# Altium PCB arduino phc.PcbDoc
Units mil, origin at the board's own origin, x right, y up, seen from the top; angles counter-clockwise.
Board outline 3937.01 x 2405 mil, 2 copper layers (Top Layer, Bottom Layer); 63 components, 56 nets, 242 pads, 33 vias.
Unrouted connection lines stored in the file: 44.
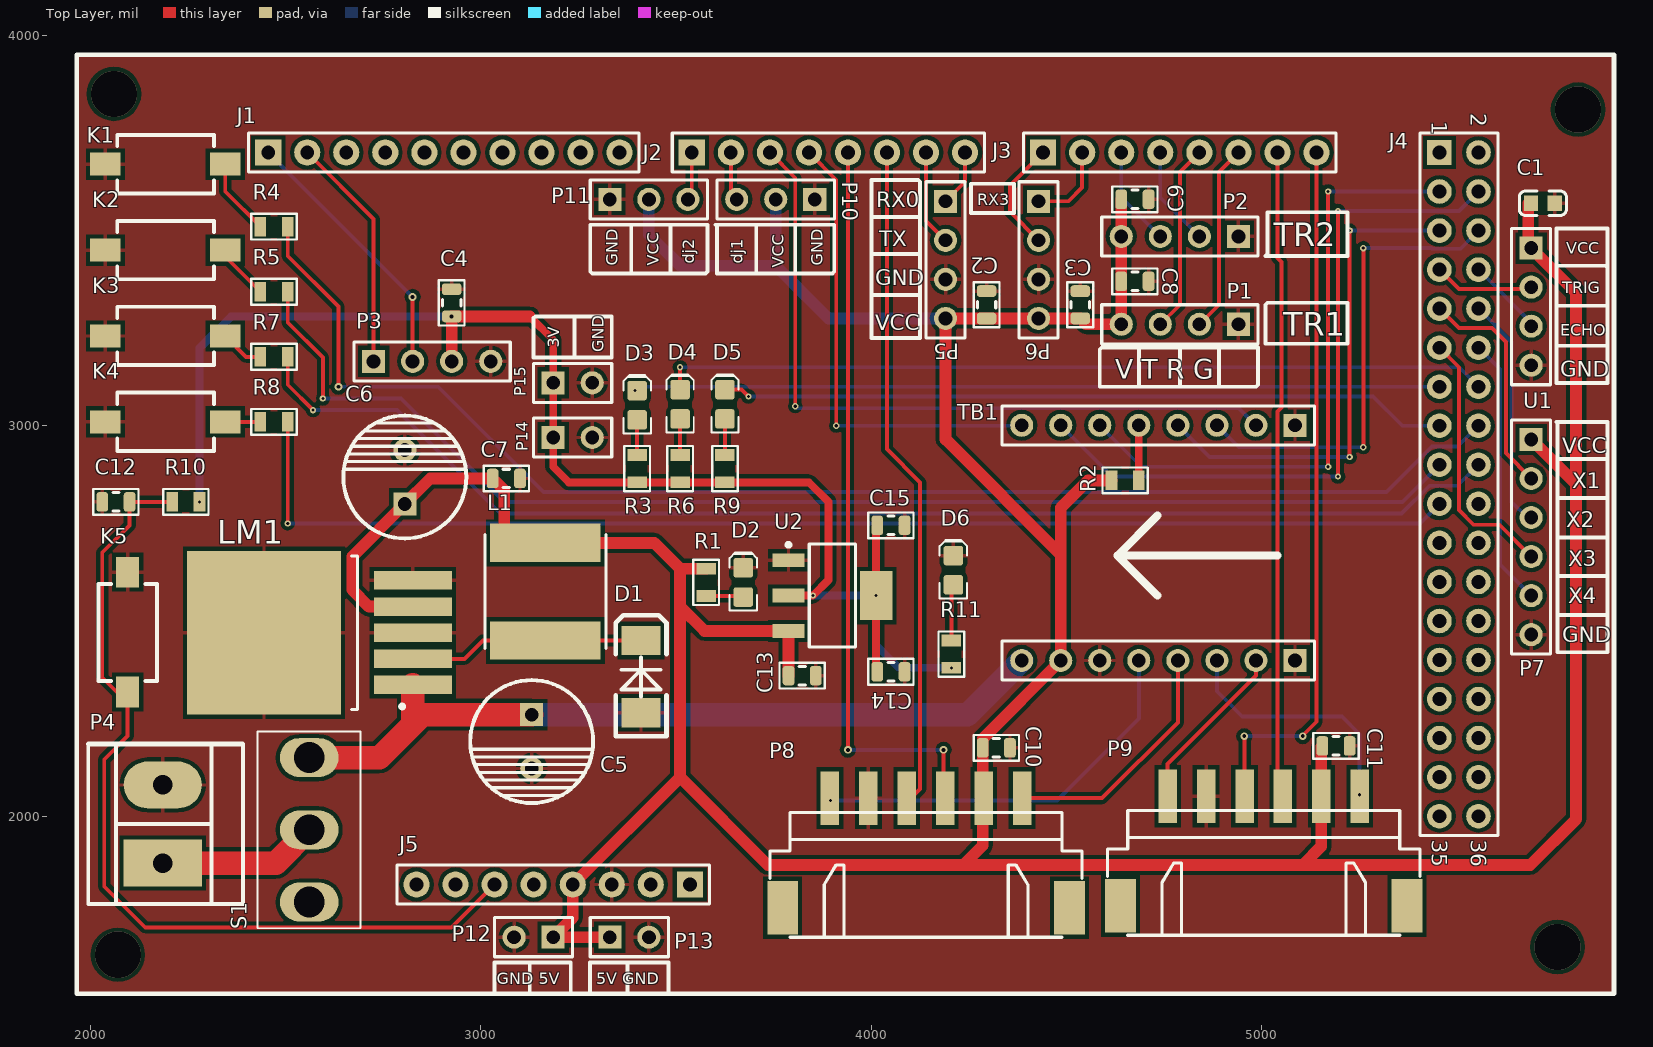
[diagram p0: Top Layer view]
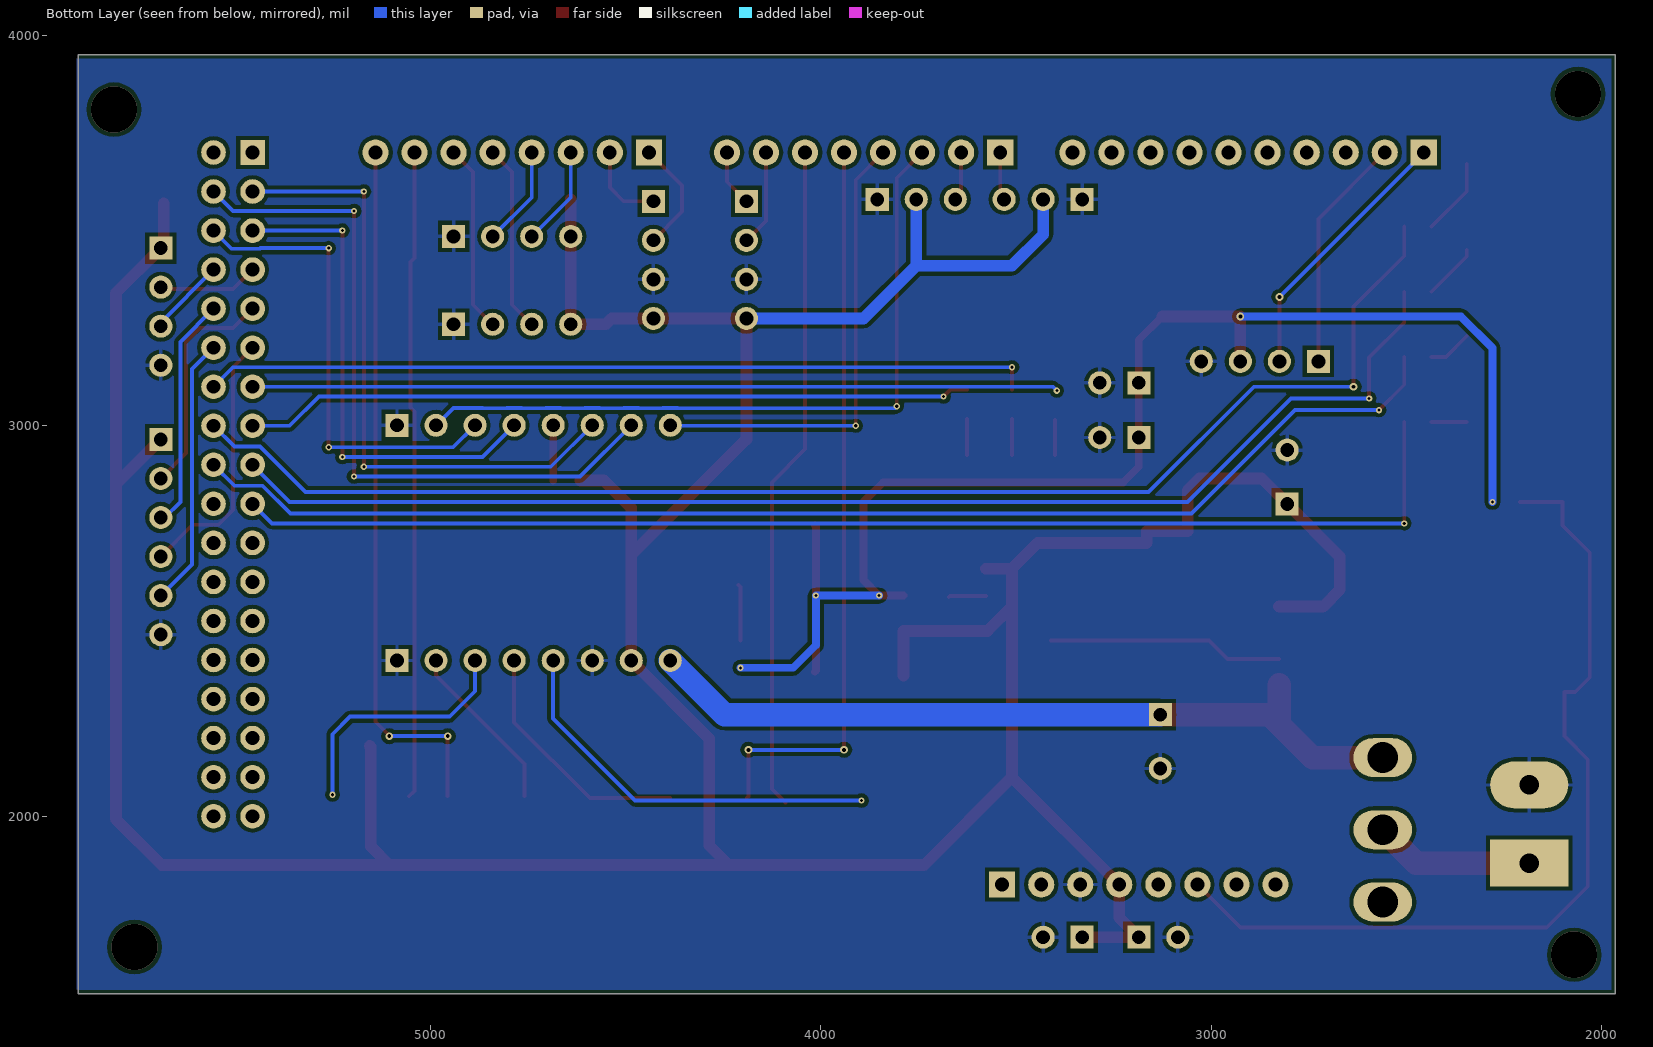
[diagram p1: Bottom Layer view, seen from below]

## Layer stack, top to bottom
Top Solder: solder mask 0.4, Solder Resist, Dk 3.5
Top Layer: signal copper 1.4
Dielectric 1: dielectric 12.6, FR-4, Dk 4.8
Bottom Layer: signal copper 1.4
Bottom Solder: solder mask 0.4, Solder Resist, Dk 3.5

## Board outline
1965,1545 1965,3950 5902.01,3950 5902.01,1545

## Design rules (kind name [scope] priority, off if disabled: settings)
Clearance [All] p1: gap=10 ignorepadtopadclearanceinfootprint=FALSE except(0: Arc-Hole Track-Hole SMDPad-Hole THPad-Hole Via-Hole Fill-Hole Poly-Hole Region-Hole Text-Hole)
PolygonConnect [All] p1: connectstyle=Relief reliefconductorwidth=10 reliefentries=4 polygonreliefangle="90 Angle" airgapwidth=10
RoutingVias [All] p1: holewidth=28 width=50 viastyle="Through Hole" minholewidth=28 minwidth=50 maxholewidth=28 maxwidth=50
SolderMaskExpansion [All] p1: expansion=4
Width [All] p1: maxlimit=60 minlimit=10 preferedwidth=10 minimp=50.000000 maximp=50.000000 favimp=50.000000
30 further rules are at their usual default settings.

## Components (designator, comment, footprint, x,y, rotation, side; value= is the part's Value field where it differs from the comment)
C1 "CAP" 0603_C 5720,3570 r0 top value=104
C2 "CAP" 0805_C 4295,3310 r270 top value=104
C3 "CAP" 0805_C 4535,3310 r270 top value=104
C4 "CAP" 0805_C 2925,3315 r90 top value=104
C5 "CAP_HER" CAP-8*16 3130,2191.1 r270 top value=470uf
C6 "CAP_HER" CAP-8*16 2805,2868.9 r90 top value=470uf
C7 "CAP" 0805_C 3065,2865 r0 top value=104
C8 "CAP" 0805_C 4675,3370 r180 top value=104
C9 "CAP" 0805_C 4675,3580 r180 top value=104
C10 "CAP" 0805_C 4320,2175 r180 top value=104
C11 "CAP" 0805_C 5190,2180 r180 top value=104
C12 "104" 0805_C 2065,2805 r180 top
C13 "CAP" 0805_C 3822.8,2360 r0 top value=104
C14 "CAP" 0805_C 4050,2370 r0 top value=106
C15 "CAP" 0805_C 4050,2745 r0 top value=104
D1 "DIODE" D1810 3410,2265 r90 top
D2 "LED0" 0805-LED-RED 3671.81,2598.82 r90 top
D3 "LED" 0805-LED-RED 3400,3052.5 r90 top
D4 "LED" 0805-LED-RED 3510,3055 r90 top
D5 "LED" 0805-LED-RED 3625,3055 r90 top
D6 "LED0" 0805-LED-RED 4210,2630 r90 top
J1 "HDR-1X10" HDR2.54-LI-10P 2905,3700 r0 top
J2 "HDR-1X8" HDR2.54-LI-8P 3890,3700 r0 top
J3 "HDR-1X8" HDR2.54-LI-8P 4790,3700 r0 top
J4 "Header 2X11" HDR2.54-LI-2x18P 5505,2850 r270 top
J5 "HDR-1X8" HDR2.54-LI-8P 3185,1825 r180 top
K1 "KEY2" KEY-SMD 2345,3670 r180 top
K2 "KEY2" KEY-SMD 2345,3450 r180 top
K3 "KEY3" KEY-SMD 2345,3230 r180 top
K4 "KEY3" KEY-SMD 2345,3010 r180 top
K5 "RESET" KEY-SMD 2095,2317.91 r90 top
L1 "33uH" L_SOP74 3165,2450 r90 top
LM1 "LM2596" TO-263-5L 2635,2470 r180 top
P1 "Header 4" HDR1X4 4940,3260 r180 top
P2 "Header 4" HDR1X4 4940,3485 r180 top
P3 "Header 4" HDR1X4 2725,3165 r0 top
P4 "Header 2" DG1282-5.0 2185,1980 r90 top
P5 "Header 4" HDR1X4 4190,3575 r270 top
P6 "Header 4" HDR1X4 4428.33,3575 r270 top
P7 "Header 6" HDR1X6 5690,2965 r270 top
P8 "Header 6" XH2.54-WS-6P 4140,1850 r0 top
P9 "Header 6" XH2.54-WS-6P 5005,1855 r0 top
P10 "Header 3" HDR1X3 3855,3580 r180 top
P11 "Header 3" HDR1X3 3330,3580 r0 top
P12 "Header 2" HDR1X2 3185,1690 r180 top
P13 "Header 2" HDR1X2 3330,1690 r0 top
P14 "Header 2" HDR1X2 3185,2970 r0 top
P15 "Header 2" HDR1X2 3185,3110 r0 top
R1 "5K" 0805_R 3576.81,2598.82 r270 top
R2 "RES" 0805_R 4650,2860 r0 top value=10k
R3 "RES" 0805_R 3400,2890 r90 top value=1k
R4 "RES" 0805_R 2470,3510 r180 top value=1k
R5 "RES" 0805_R 2470,3343.33 r180 top value=1k
R6 "RES" 0805_R 3510,2890 r90 top value=1k
R7 "RES" 0805_R 2470,3176.67 r180 top value=1k
R8 "RES" 0805_R 2470,3010 r180 top value=1k
R9 "RES" 0805_R 3625,2890 r90 top value=1k
R10 "RES" 0805_R 2244,2805 r0 top
R11 "RES" 0805_R 4205,2415 r90 top value=2k
S1 "SW SPDT" "SWITCH_3F_SPDT - 4.7mm" 2560,1965 r90 top
TB1 "TB6612 Module" TB6612 4735,2700 r90 top
U1 "ULTRASONIC" HDR1X4 5690,3455 r270 top
U2 "AMS1117-3.3" SOT223_L 3900,2565 r0 top

## Footprints (in the part's own frame and the unit in brackets; to place one, negate y for a bottom-side part, rotate by r counter-clockwise, add the part's x,y. Pads: shape width x height; smd on the part's side, far side on the other; paste and mask are expansions set on the pad)
0603_C [mm]
  rect 0.93x0.98 smd: 1(-0.77,0) 2(0.77,0)
  silkscreen extent -1.53,-0.79 1.54,0.79, body extent -0.8,-0.4 0.8,0.4, height 0.3
0805-LED-RED [mil]
  round 20 on Mech14: 0(0,0)
  rrect25% 50x50 smd: A(-37.5,0) K(37.5,0)
  Top Layer pour cut-out: -15,30 15,30 15,-30 -15,-30
  silkscreen extent -72,-35 77,35, body extent -39,-25 39,25, height 31
0805_C [mil]
  rrect50% 30x50 smd: 1(-35,0) 2(35,0)
  Top Layer pour cut-out: -20,26.81 20,26.81 20,-26.81 -20,-26.81
  silkscreen extent -58,-33 58,33, body extent -39,-24 39,24, height 22
0805_R [mil]
  rect 30x50 smd: 1(-35,0) 2(35,0)
  Top Layer pour cut-out: -20,28.19 20,28.19 20,-25.43 -20,-25.43
  silkscreen extent -58,-33 58,33, body extent -39,-24 39,24, height 22
CAP-8*16 [mm]
  rect 1.5x1.5 hole 0.9: 1(-1.75,0)
  round 1.5 hole 0.9: 2(1.75,0)
  silkscreen extent -4,-4 4,4, body extent -4,-3.92 4,4.07, height 16
D1810 [mil]
  rect 75x100 smd: A(0,0) K(185,0)
  silkscreen extent -60,-65 250,65, body extent -18,-76 202,78, height 98
DG1282-5.0 [mil]
  rect 120x200 hole 50: 1(-100,0)
  oval 120x200 hole 50: 2(100,0)
  silkscreen extent -205,-205 205,191, body extent -223,-187 199,187, height 591
HDR1X2 [mm] "Connector; Header; 2 Position"
  rect 1.5x1.5 hole 0.9: 1(0,0)
  round 1.5 hole 0.9: 2(2.54,0)
  silkscreen extent -1.27,-1.27 3.81,1.27
HDR1X3 [mm] "Connector; Header; 3 Position"
  rect 1.5x1.5 hole 0.9: 1(0,0)
  round 1.5 hole 0.9: 2(2.54,0) 3(5.08,0)
  silkscreen extent -1.27,-1.27 6.35,1.27
HDR1X4 [mm] "Connector; Header; 4 Position"
  rect 1.5x1.5 hole 0.9: 1(0,0)
  round 1.5 hole 0.9: 2(2.54,0) 3(5.08,0) 4(7.62,0)
  silkscreen extent -1.27,-1.27 8.89,1.27
HDR1X6 [mm] "Connector; Header; 6 Position"
  rect 1.5x1.5 hole 0.9: 1(0,0)
  round 1.5 hole 0.9: 2(2.54,0) 3(5.08,0) 4(7.62,0) 5(10.16,0) 6(12.7,0)
  silkscreen extent -1.27,-1.27 13.97,1.27
HDR2.54-LI-2x18P [mm] "双排排针，18x2脚"
  rect 1.6x1.6 hole 0.9: 1(-21.59,-1.27)
  round 1.6 hole 0.9: 2(-21.59,1.27) 3(-19.05,-1.27) 4(-19.05,1.27) 5(-16.51,-1.27) 6(-16.51,1.27) 7(-13.97,-1.27) 8(-13.97,1.27) 9(-11.43,-1.27) 10(-11.43,1.27) 11(-8.89,-1.27) 12(-8.89,1.27) 13(-6.35,-1.27) 14(-6.35,1.27) 15(-3.81,-1.27) 16(-3.81,1.27) 17(-1.27,-1.27) 18(-1.27,1.27) 19(1.27,-1.27) 20(1.27,1.27) 21(3.81,-1.27) 22(3.81,1.27) 23(6.35,-1.27) 24(6.35,1.27) 25(8.89,-1.27) 26(8.89,1.27) 27(11.43,-1.27) 28(11.43,1.27) 29(13.97,-1.27) 30(13.97,1.27) 31(16.51,-1.27) 32(16.51,1.27) 33(19.05,-1.27) 34(19.05,1.27) 35(21.59,-1.27) 36(21.59,1.27)
  silkscreen extent -22.86,-2.54 22.86,2.54, body extent -22.86,-2.54 22.86,2.54, height 8.5
HDR2.54-LI-8P [mm] "排针，8脚  淘宝ID:黄晶宝石   店铺网址:https://shop463601444.taobao.com"
  rect 1.7x1.7 hole 0.9: 1(-8.89,0)
  round 1.7 hole 0.9: 2(-6.35,0) 3(-3.81,0) 4(-1.27,0) 5(1.27,0) 6(3.81,0) 7(6.35,0) 8(8.89,0)
  silkscreen extent -10.16,-1.27 10.16,1.27, body extent -10.16,-1.27 10.16,1.27, height 2.54
HDR2.54-LI-10P [mm] "排针，10脚   淘宝ID:黄晶宝石   店铺网址:https://shop463601444.taobao.com"
  rect 1.7x1.7 hole 0.9: 1(-11.43,0)
  round 1.7 hole 0.9: 2(-8.89,0) 3(-6.35,0) 4(-3.81,0) 5(-1.27,0) 6(1.27,0) 7(3.81,0) 8(6.35,0) 9(8.89,0) 10(11.43,0)
  silkscreen extent -12.7,-1.27 12.7,1.27, body extent -12.7,-1.27 12.7,1.27, height 2.54
KEY-SMD [mm]
  rect 2x1.5 smd: 1(0,0) 2(7.8,0)
  silkscreen extent 0.73,-1.9 7.03,1.9, body extent -0.06,-1.94 7.83,1.91, height 2.5
L_SOP74 [mm]
  rect 2.5x7.2 smd: 1(0,0) 2(6.35,0)
  silkscreen extent -0.51,-3.94 6.89,3.94, body extent -0.42,-3.6 6.88,3.7, height 4.5
SOT223_L [mm] "SOT223, 4-Leads, Body 6.5x3.5mm, Pitch 2.3mm, Lead Span 7mm, IPC High Density"
  rect 2.1x0.9 smd: 1(-2.85,2.3) 2(-2.85,0) 3(-2.85,-2.3)
  rect 2.1x3.2 smd: 4(2.85,0)
  silkscreen extent -2.97,-3.35 1.5,3.42, body extent -1.85,-3.35 1.85,3.35, height 1.7
"SWITCH_3F_SPDT - 4.7mm" [mm]
  oval 2.54x3.81 hole 2: 1(-4.7,0) 2(0,0) 3(4.7,0)
  silkscreen extent -6.4,-3.35 6.4,3.35, body extent -6.5,-3.5 6.5,3.5, height 10.16
TB6612 [mm]
  round 1.5 hole 0.9: 1(-7.65,8.89) 2(7.65,8.89) 3(-7.65,6.35) 4(7.65,6.35) 5(-7.65,3.81) 6(7.65,3.81) 7(-7.65,1.27) 8(7.65,1.27) 9(-7.65,-1.27) 10(7.65,-1.27) 11(-7.65,-3.81) 12(7.65,-3.81) 13(-7.65,-6.35) 14(7.65,-6.35)
  rect 1.5x1.5 hole 0.9: 15(-7.65,-8.89) 16(7.65,-8.89)
  silkscreen extent -8.92,-10.16 8.92,10.16, body extent -10.66,-10.44 10.25,10.54, height 6.08
TO-263-5L [mm]
  rect 5.08x1.2 smd: 1(-4.845,3.4) 2(-4.845,1.7) 3(-4.845,0) 4(-4.845,-1.7) 5(-4.845,-3.4)
  rect 10x10.66 smd: 3(4.845,0)
  silkscreen extent -4.26,-5 -0.86,5, body extent -4.34,-5.05 9.67,5.11, height 4.58
XH2.54-WS-6P [mm]
  rect 2x3.5 smd: 0(-9.327,-2.15) 0(9.327,-2.15)
  rect 1.2x3.5 smd: 1(-6.25,4.981) 2(-3.75,4.981) 3(-1.25,4.981) 4(1.25,4.981) 5(3.75,4.981) 6(6.25,4.981)
  silkscreen extent -10.16,-4.06 10.16,4.06, body extent -10,-4 10,6.42, height 6.05

## Part data
C12: library part CAP
D2 D6: library part LED
J1: library part "Header 10", "10P接插件", BOM名称=10
J2 J3 J5: library part "Header 8", "8P接插件"
J4: library part "Header 18X2", "18*2P接插件", BOM名称=18*2
K1 K2 K3 K4 K5: library part KEY
L1: library part IND
LM1: "LM2576"
P1 P2 P3 P5 P6 U1: "Header, 4-Pin", LatestRevisionDate=17-Jul-2002, LatestRevisionNote="Re-released for DXP Platform.", Publisher="Altium Limited"
P4 P12 P13 P14 P15: "Header, 2-Pin", LatestRevisionDate=17-Jul-2002, LatestRevisionNote="Re-released for DXP Platform.", Publisher="Altium Limited"
P7 P8 P9: "Header, 6-Pin", LatestRevisionDate=17-Jul-2002, LatestRevisionNote="Re-released for DXP Platform.", Publisher="Altium Limited"
P10 P11: "Header, 3-Pin", LatestRevisionDate=17-Jul-2002, LatestRevisionNote="Re-released for DXP Platform.", Publisher="Altium Limited"
R1: library part RES_1
U2: library part AMS1117
R10: =10k
TB1: LatestRevisionDate=17-Jul-2002, LatestRevisionNote="Re-released for DXP Platform.", Publisher="Altium Limited"

## Via types
v1: diameter 16, hole 8, Top Layer to Bottom Layer, 22 vias
v2: diameter 20, hole 10, Top Layer to Bottom Layer, 7 vias
v3: diameter 118.11, hole 118.11, Top Layer to Bottom Layer, 4 vias

## Nets (pads, with @x,y where several pads share a name; then routed paths per layer and width w, separated by ;. In a path a pad name is that pad's centre, name@x,y a point inside that pad or via, vN(x,y) a via of type N, cw(c..) or ccw(c..) an arc to the next point about the centre after c; other vN are vias at no path point)
A1: J2.6 P8.3 | length 1714.7
  Top Layer w10: J2.6 4040,2940 4125,2855 4125,2070 P8.3@4090,2035
A2: J2.5 P8.4 | length 1900.6
  Top Layer w10: v2(3940,2170) J2.5 ; v2(4185,2170) 4185,2050.31 P8.4
  Bottom Layer w10: v2(3940,2170) v2(4185,2170)
AIN1: J4.3 TB1.6 | length 1619
  Top Layer w10: v1(5170,2895) v1(5170,3600)
  Bottom Layer w10: TB1.6 4691.18,2895 v1(5170,2895) ; v1(5170,3600) J4.3
AIN2: J4.4 TB1.4 | length 1825
  Top Layer w10: v1(5195,2870) v1(5195,3550)
  Bottom Layer w10: TB1.4 4616.18,2870 v1(5195,2870) ; v1(5195,3550) 5505,3550 J4.4
AO1: P8.1 TB1.7 | length 1025.8
  Bottom Layer w10: v1(3895,2040) 4475,2040 4685,2250 TB1.7
AO2: P8.6 TB1.9 | length 638.1
  Top Layer w10: P8.6 4591.1,2046.1 4785,2240 TB1.9
B1: J3.8 P9.3 | length 1811.9
  Top Layer w10: v2(4955,2205) 4955.79,2204.21 P9.3 ; v2@5105,2206.81 5140,2241.81 J3.8
  Bottom Layer w10: v2(4955,2205) v2(5105,2205)
B2: J3.7 P9.4 | length 1662.7
  Top Layer w10: J3.7 5040,3430 5050,3420 5050,3046.45 5040.47,3036.92 5040.47,2064.84 P9.4
BIN1: J4.5 TB1.10 | length 1283.6
  Top Layer w10: v1(5225,2920) v1(5225,3500)
  Bottom Layer w10: TB1.10 4866.18,2920 v1(5225,2920) ; v1(5225,3500) J4.5
BIN2: J4.6 TB1.12 | length 1223.1
  Top Layer w10: v1(5260,2945) v1(5260,3455)
  Bottom Layer w10: TB1.12 4941.18,2945 v1(5260,2945) ; v1(5260,3455) 5434.24,3455 5435.74,3453.5 5508.5,3453.5 J4.6
BO1: P9.1 TB1.13 | length 441.4
  Top Layer w10: P9.1 4758.94,2133.94 4985,2360 TB1.13
BO2: P9.6 TB1.11 | length 644.4
  Bottom Layer w10: TB1.11 4885,2320 4950,2255 5205,2255 5250,2210 v1(5250,2055)
ECHO: J4.8 U1.3 | length 200.9
  Bottom Layer w10: J4.8 5690,3265 U1.3
GND: C1.2 C2.1 C3.1 C4.2 C5.2 C6.2 C7.2 C8.1 C9.1 C10.1 C11.1 C12.2 C13.2 C14.2 C15.2 D1.A D2.K D6.K J5.3 K1.2 K2.2 K3.2 K4.2 K5.2 LM1.3 LM1.5 P1.1 P2.1 P3.4 P4.2 P5.3 P6.3 P7.6 P8.2 P9.2 P10.1 P11.1 P12.2 P13.2 P14.2 P15.2 TB1.5 TB1.15 TB1.16 U1.4 U2.1
KEY1: J4.16 R4.1 | length 3566.1
  Top Layer w10: R4.1 2505,3435 2635,3305 v2(2635,3100)
  Bottom Layer w10: v2(2635,3100) 2890,3100 3160,2830 5319.24,2830 5435.74,2946.5 5501.5,2946.5 J4.16
KEY2: J4.17 R5.1 | length 3319.7
  Top Layer w10: R5.1 2505,3265 2595,3175 v1(2595,3070)
  Bottom Layer w10: v1(2595,3070) 2795,3070 3060,2805 5360,2805 J4.17
KEY3: J4.18 R7.1 | length 3310.1
  Top Layer w10: R7.1 2505,3105 v1(2570,3040)
  Bottom Layer w10: v1(2570,3040) 2785,3040 3050,2775 5358.28,2775 5429.78,2846.5 5501.5,2846.5 J4.18
KEY4: J4.19 R8.1 | length 3230.7
  Top Layer w10: v1(2505,2750) R8.1
  Bottom Layer w10: v1(2505,2750) 5405,2750 J4.19
LED1: D3.K J4.13 | length 2064.1
  Bottom Layer w10: v1(3395,3090) 3405,3100 J4.13
LED2: D4.K J4.14 | length 2123.2
  Top Layer w10: D4.K v1(3510,3150)
  Bottom Layer w10: v1(3510,3150) 5505,3150 J4.14
LED3: D5.K J4.15 | length 1868.3
  Top Layer w10: D5.K 3667.5,3092.5 v1(3685,3075)
  Bottom Layer w10: v1(3685,3075) 5285,3075 5360,3000 J4.15
NetD1_K: D1.K L1.1 LM1.2 | length 603.7
  Top Layer w10: LM1.2 2958.07,2403.07 3005,2450 L1.1 D1.K
NetD2_A: D2.A R1.2 | length 96
  Top Layer w10: R1.2 3669.31,2563.82 D2.A
NetD3_A: D3.A R3.2 | length 90
  Top Layer w10: R3.2 D3.A
NetD4_A: D4.A R6.2 | length 92.5
  Top Layer w10: R6.2 D4.A
NetD5_A: D5.A R9.2 | length 92.5
  Top Layer w10: R9.2 D5.A
NetD6_A: D6.A R11.2 | length 144.6
  Top Layer w10: R11.2 4205,2587.5 D6.A
NetK1_1: K1.1 R4.2 | length 197.3
  Top Layer w10: K1.1 2345,3600 R4.2
NetK2_1: K2.1 R5.2 | length 143.9
  Top Layer w10: K2.1 2345,3433.33 R5.2
NetK3_1: K3.1 R7.2 | length 112.1
  Top Layer w10: K3.1 2398.33,3176.67 R7.2
NetK4_1: K4.1 R8.2 | length 90
  Top Layer w10: K4.1 R8.2
NetR2_2: R2.2 TB1.8 | length 141.2
  Top Layer w20: R2.2 TB1.8
POWER: P4.1 S1.2 | length 410.2
  Top Layer w60: P4.1 2475,1880 S1.2
PWMA: J2.4 TB1.2 | length 1206.2
  Top Layer w10: J2.4 3910,3630 v1(3910,3000) ; TB1.2@4383.82,3000 TB1.2
  Bottom Layer w10: v1(3910,3000) 4383.82,3000 TB1.2
PWMB: J2.3 TB1.14 | length 1880.7
  Top Layer w10: J2.3 3805,3635 v1(3805,3050)
  Bottom Layer w10: v1(3805,3050) 3810,3045 4365.85,3045 4366.56,3045.71 4403.44,3045.71 4404.15,3045 4465.85,3045 4466.56,3045.71 4503.44,3045.71 4504.15,3045 4565.85,3045 4566.56,3045.71 4603.44,3045.71 4604.15,3045 4665.85,3045 4666.56,3045.71 4703.44,3045.71 4704.15,3045 4765.85,3045 4766.56,3045.71 4803.44,3045.71 4804.15,3045 4865.85,3045 4866.56,3045.71 4940.47,3045.71 TB1.14
RESET: C12.1 J5.6 K5.1 R10.1 | length 2280.2
  Top Layer w10: R10.1 C12.1 2100,2745 2030,2675 2030,2355 2067.09,2317.91 K5.1 2095,2205 2035,2145 2035,1820 2140.05,1714.95 2611.92,1714.95 2611.98,1715 2925,1715 J5.6
RX0: J2.8 P5.1 | length 145.7
  Top Layer w10: P5.1 4240,3625 J2.8
RX1: J3.6 P1.2 | length 487.8
  Top Layer w10: P1.2 4890,3310 4890,3650 J3.6
  Bottom Layer w10: J3.6@4935.47,3695.47 J3.6
RX2: J3.4 P2.2 | length 256.4
  Bottom Layer w10: J3.4 4740,3585 P2.2
RX3: J3.2 P6.1 | length 216.2
  Top Layer w10: P6.1 4505,3575 4540,3610 J3.2
SCL: J1.1 P3.2 | length 688.3
  Top Layer w10: P3.2 v2(2825,3330)
  Bottom Layer w10: J1.1 v2(2825,3330)
SDA: J1.2 P3.1 | length 605.4
  Top Layer w10: J1.2 2725,3530 P3.1
STEER1: J2.2 P10.3 | length 126.2
  Top Layer w10: J2.2 3640,3595 P10.3
STEER2: J2.1 P11.3 | length 124.1
  Top Layer w10: P11.3 3540,3590 J2.1
TRIG: J4.7 U1.2 | length 257.8
  Top Layer w10: J4.7 5505,3350 5685,3350 U1.2
TX0: J2.7 P5.2 | length 245.7
  Top Layer w10: J2.7 4140,3525 P5.2
TX1: J3.5 P1.3 | length 481.4
  Top Layer w10: P1.3 4790,3310 4790,3650 J3.5
TX2: J3.3 P2.3 | length 256.4
  Bottom Layer w10: J3.3 4640,3585 P2.3
TX3: J3.1 P6.2 | length 290.6
  Top Layer w10: P6.2 4355,3548.33 4355,3615 J3.1
VCC3V: C4.1 C14.1 C15.1 P3.3 P14.1 P15.1 R3.1 R6.1 R9.1 R10.2 R11.1 U2.2 U2.4 | length 3742.9
  Top Layer w20: 3125,3280 3185,3220 P15.1 P14.1 3185,2895 3225,2855 R3.1 R6.1 R9.1 3840,2855 3890,2805 3890,2605 v1(3850,2565) U2.2 ; C14.1 4012.2,2372.8 v1(4012.2,2565) 4012.2,2742.2 C15.1
  Top Layer w30: P3.3 v2(2925,3280) 3125,3280
  Bottom Layer w20: v1(2279,2805) 2279,3199 2360,3280 v2(2925,3280) ; v1(3850,2565) v1(4012.2,2565) 4012.2,2437.8 4070,2380 v1(4205,2380)
VCC5V: C1.1 C2.2 C3.2 C6.1 C7.1 C8.2 C9.2 C10.2 C11.2 C13.1 J5.4 L1.2 LM1.4 P1.4 P2.4 P5.4 P6.4 P7.1 P8.5 P9.5 P10.2 P11.2 P12.1 P13.1 R1.1 R2.1 TB1.3 U1.1 U2.3 | length 11403
  Top Layer w30: LM1.4 2713.07,2536.93 2670,2580 2670,2665 C6.1 2870,2865 C7.1 3060,2835 3060,2730 3165,2730 L1.2 3443.82,2700 3510,2633.82 ; P13.1 P12.1 3235,1740 J5.4 3510,2100 ; R1.1 3510,2633.82 ; C13.1 U2.3 3572.48,2474.45 3510,2536.93 ; C3.2@4530,3275 P6.4 C2.2 P5.4 4190,2965 4485,2670 ; C3.2 4550,3260 P1.4 C8.2 P2.4 C9.2 ; R2.1 4555,2860 4485,2790 4485,2670 ; C11.2 5152.64,2177.64 P9.5 5152.64,1922.64 5105,1875 ; C1.1@5682.6,3570 5682.6,3462.4 U1.1 5805,3340 5805,2850 ; P7.1 5805,2850 ; 3510,2100 3735,1875 4235,1875 ; 3510,2100 3510,2536.93 ; 3510,2536.93 3510,2633.82 ; 4235,1875 4285,1925 C10.2 4285,2198.82 TB1.3 4485,2670 ; 4235,1875 5105,1875 ; 5105,1875 5687.4,1875 5805,1992.6 5805,2850
  Bottom Layer w30: P11.2 3430,3490 3510,3410 3755,3410 ; P10.2 3755,3410 ; P5.4 3890,3275 3755,3410
VCC12V: C5.1 LM1.1 S1.3 TB1.1 | length 2028.4
  Top Layer w60: S1.3 2740.05,2150.05 2825.75,2235.75 ; LM1.1 2825.75,2235.75 ; C5.1 2850,2260 2825.75,2235.75
  Bottom Layer w60: C5.1 4246.18,2260 TB1.1
X1: J4.9 P7.2 | length 582.1
  Top Layer w10: J4.9 5505,3250 5590,3250 5625,3215 5625,2930 P7.2
X2: J4.10 P7.3 | length 596.8
  Bottom Layer w10: J4.10 5640,3215 5640,2805 5680,2765 P7.3
X3: J4.11 P7.4 | length 670.9
  Top Layer w10: J4.11 5505,3150 5505,2784.24 5542.75,2746.5 5608.5,2746.5 P7.4
X4: J4.12 P7.5 | length 690.9
  Bottom Layer w10: J4.12 5610,3145 5610,2645 P7.5
pads on no net: D2.0 D3.0 D4.0 D5.0 D6.0 J1.3 J1.4 J1.5 J1.6 J1.7 J1.8 J1.9 J1.10 J4.1 J4.2 J4.20 J4.21 J4.22 J4.23 J4.24 J4.25 J4.26 J4.27 J4.28 J4.29 J4.30 J4.31 J4.32 J4.33 J4.34 J4.35 J4.36 J5.1 J5.2 J5.5 J5.7 J5.8 P8.0 P9.0 S1.1
copper on no net:
  other v3: 2070,1645 5757.4,1665 5810,3810 2060,3850

## Polygon pours and split planes (outlines as drawn)
GND on Bottom Layer "Bottom Layer-GND" (solid, pour order 18): 1965,3950 1975,3940 5905,3940 5905,1550 5900,1555 1975,1555 1975,3945 1970,3950
GND on Bottom Layer "Bottom Layer-GND 1" (solid, pour order 6): 1735,3720
GND on Top Layer "Top Layer-GND" (solid, pour order 16): 1965,3955 1975,3945 5900,3945 5900,1545 5895,1550 1965,1550 1965,3950 1960,3955

## Silkscreen, mask and mechanical layers (free items; w line width, h text height)
Top Overlay:
  lines w10: 3035,1545 3035,1625 3230,1625 3230,1545 ; 3125,1545 3125,1625 ; 3237,3280 3240,3277 3240,3175 ; 3280,1545 3279.61,1545.39 3279.61,1625 3480,1625 3480,1545 ; 3375,1545 3375,1625 ; 3385,3390 3385,3515 ; 3485,3390 3485,3515 ; 3601,3515 3905,3515 3905,3395 3900,3390 3605,3390 3605,3515 ; 3705,3390 3705,3515 ; 3805,3390 3805,3515 ; 4000,3335 4125,3335 ; 4000,3440 4125,3440 ; 4000,3535 4125,3535 ; 4685,3100 4685,3200 ; 4790,3100 4790,3200 ; 4890,3100 4890,3200 ; 5755,3205 5885,3205 ; 5755,3307.5 5885,3307.5 ; 5755,3410 5880,3410 5885,3405 ; 5757.4,2515 5885,2515 ; 5757.4,2615 5885,2615 ; 5757.4,2713.8 5883.8,2713.8 5885,2715 ; 5757.4,2815 5885,2815 ; 5757.4,2915 5885,2915 ; 3135,3175 3135,3276 3139,3280 3335,3280 3335,3175 3135,3175 ; 3280,3395 3285,3390 3575,3390 3580,3395 3580,3515 3280,3515 3280,3395 ; 4000,3225 4000,3630 4120,3630 4125,3625 4125,3225 4000,3225 ; 4255,3545 4365,3545 4365,3620 4275,3620 4255,3620 4255,3545 ; 4585,3100 4585,3195 4590,3200 4990,3200 4990,3105 4985,3100 4585,3100 ; 5010,3210 5220,3210 5220,3315 5015,3315 5010,3310 5010,3210 ; 5010,3435 5015,3440 5015,3547 5220,3547 5220,3435 5010,3435 ; 5755,3010 5757.4,3007.6 5757.4,2420 5885,2420 5885,3010 5755,3010 ; 5755,3110 5755,3505 5885,3505 5885,3110 5755,3110
  lines w11.81: 1965,1545 1965,3950 5902.01,3950 5902.01,1545 1965,1545
  lines w20: 4733,2565 4630.5,2667.5 ; 4733,2770 4630.5,2667.5 ; 5040,2667.5 4630,2667.5 4630.5,2667.5
  text "RX3" at 4271.38,3565 h30
  text "RX0" at 4012.2,3560 h40
  text "TX" at 4020,3460 h40
  text "TR2" at 5030,3460 h60
  text "VCC" at 5780,3440 h30
  text "dj2" at 3546.81,3415 h30 r90
  text "dj1" at 3670,3415 h30 r90
  text "GND" at 3350,3410 h30 r90
  text "VCC" at 3455,3410 h30 r90
  text "GND" at 3875,3410 h30 r90
  text "VCC" at 3775,3405 h30 r90
  text "GND" at 4010,3360 h40
  text "TRIG" at 5770,3340 h30
  text "VCC" at 4010,3245 h40
  text "TR1" at 5055,3230 h60
  text "ECHO" at 5765,3230 h30
  text "3V" at 3200,3200 h30 r90
  text "GND" at 3315,3188 h30 r90
  text "GND" at 5765,3125 h40
  text "V T R G" at 4625,3120 h50
  text "VCC" at 5770,2930 h40
  text "X1" at 5795,2840 h40
  text "X2" at 5780,2740 h40
  text "X3" at 5785,2640 h40
  text "X4" at 5785,2545 h40
  text "GND" at 5770,2445 h40
  text "GND 5V" at 3040,1570 h30
  text "5V GND" at 3295,1570 h30

## Text inside footprints (layer, text, board x,y; h text height)
J4: Top Overlay "2" at 5535,3800 h40 r270; Top Overlay "1" at 5435,3780 h40 r270; Top Overlay "35" at 5435,1940 h40 r270; Top Overlay "36" at 5535,1940 h40 r270